# Altium PCB PCB_15122020_01BC.PcbDoc (part 1 of 9)
Units mm, origin at the board's own origin, x right, y up, seen from the top; angles counter-clockwise.
Board outline 207.9 x 131.1 mm, 4 copper layers (Top Layer, Layer 1, Layer 2, Bottom Layer), stack 1.57 mm thick; 684 components, 706 nets, 2796 pads, 1697 vias.
Unrouted connection lines stored in the file: 3.
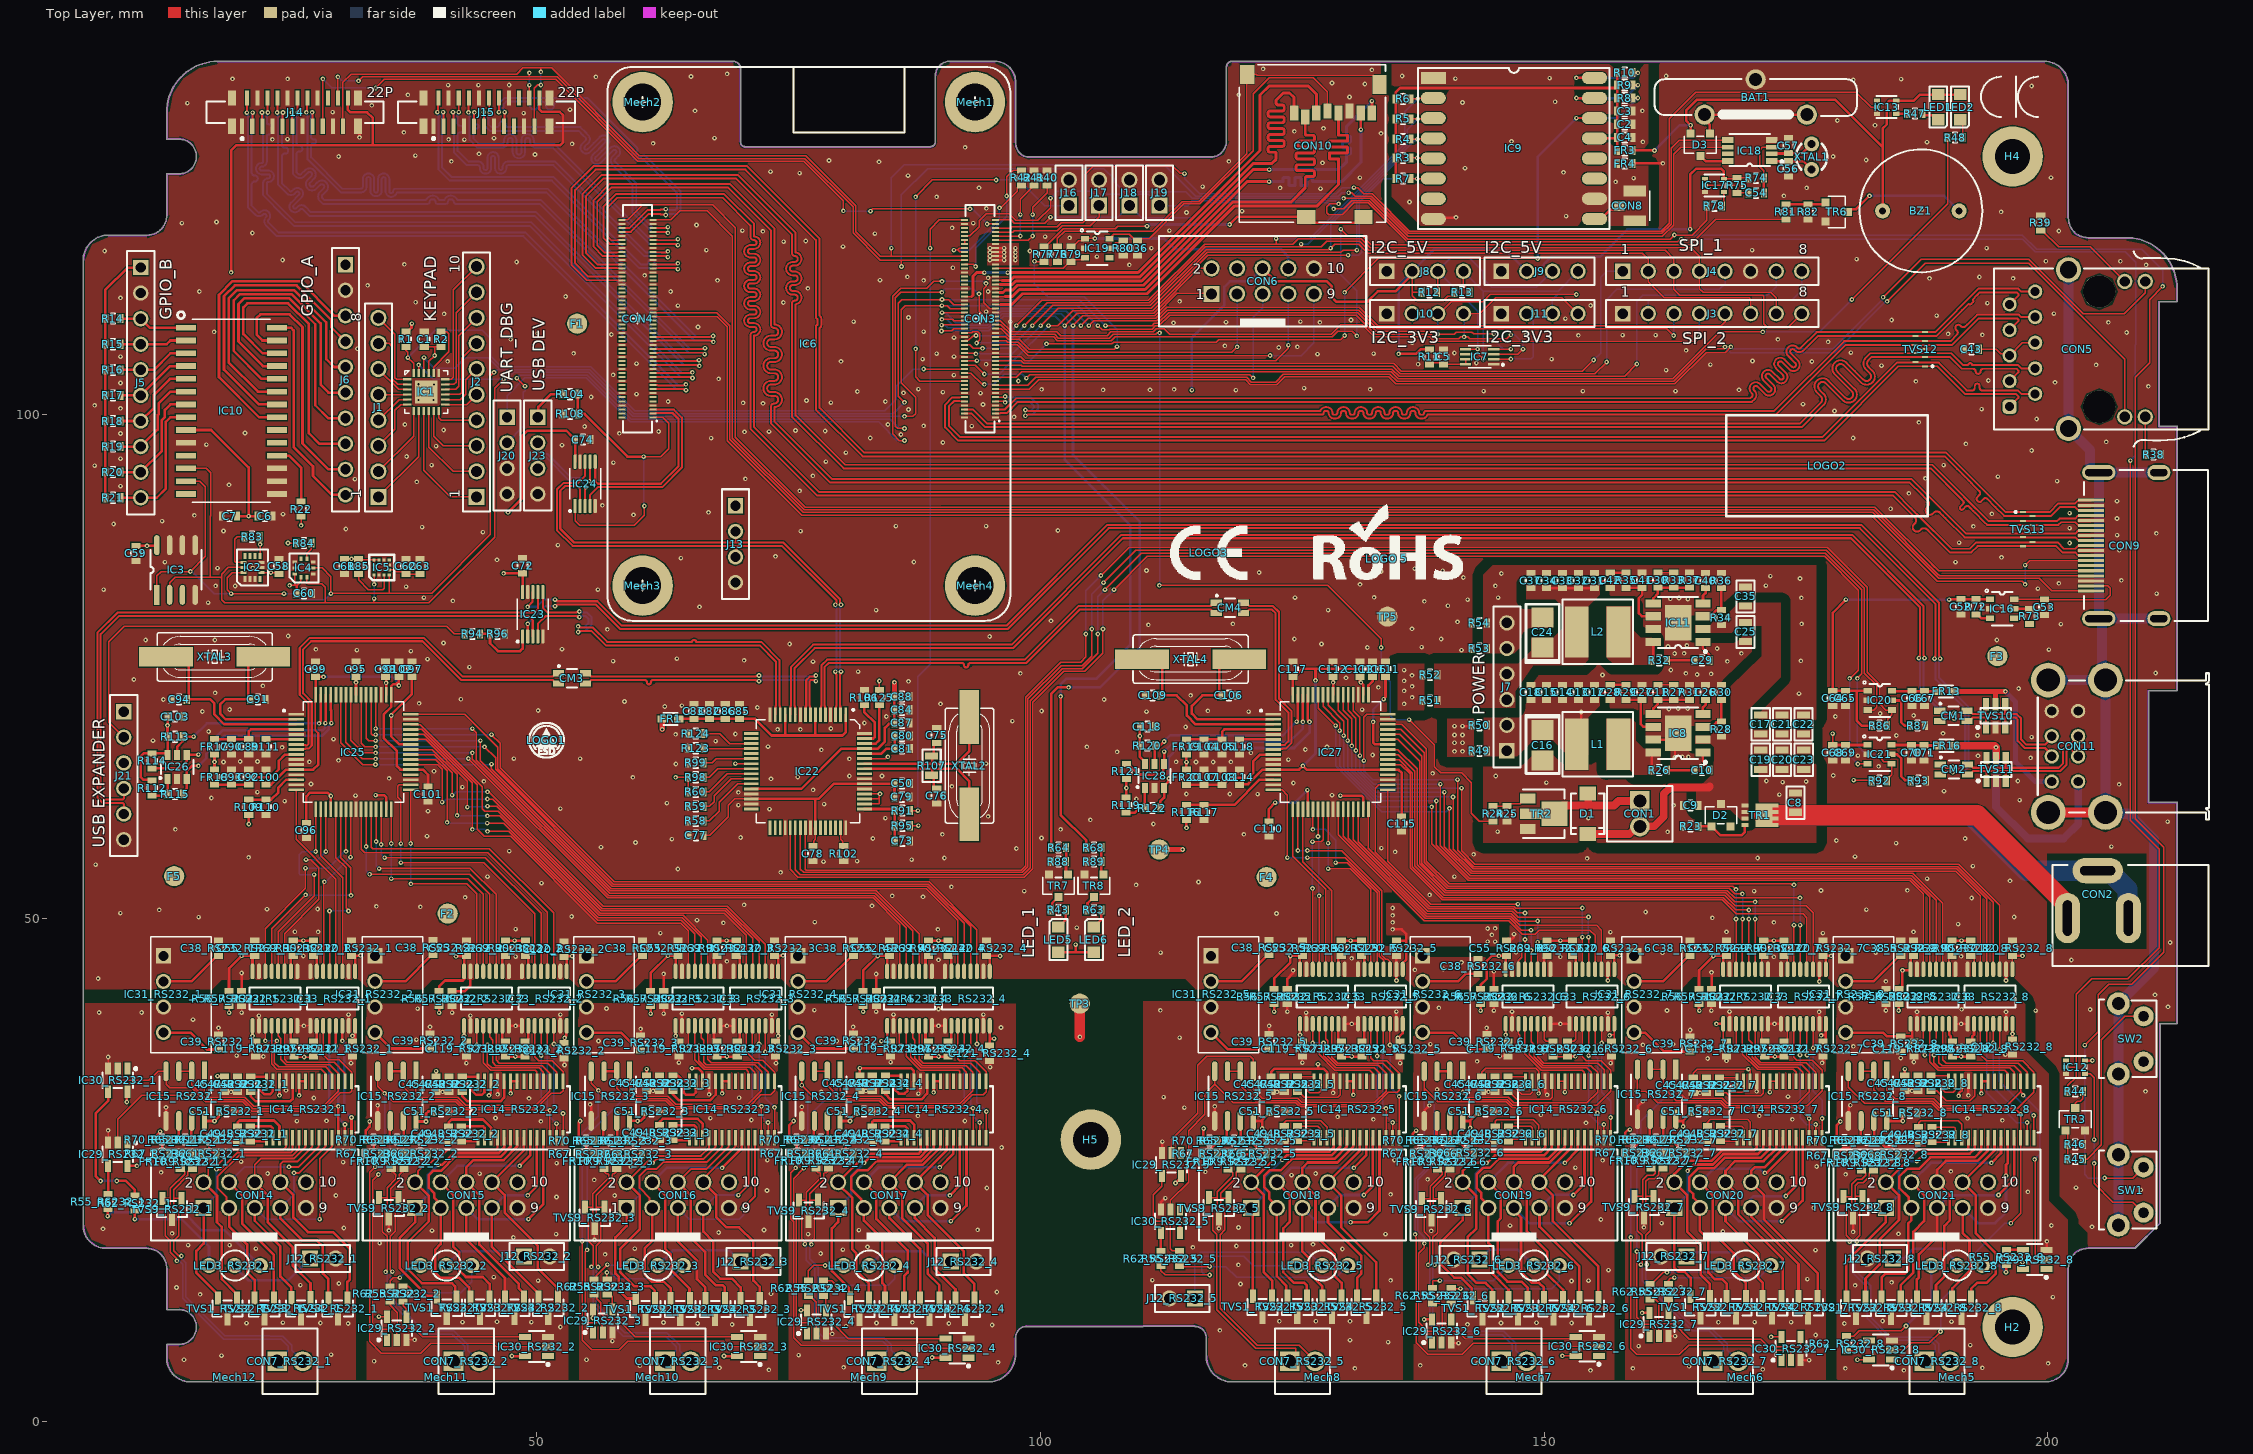
[diagram p0: Top Layer view]
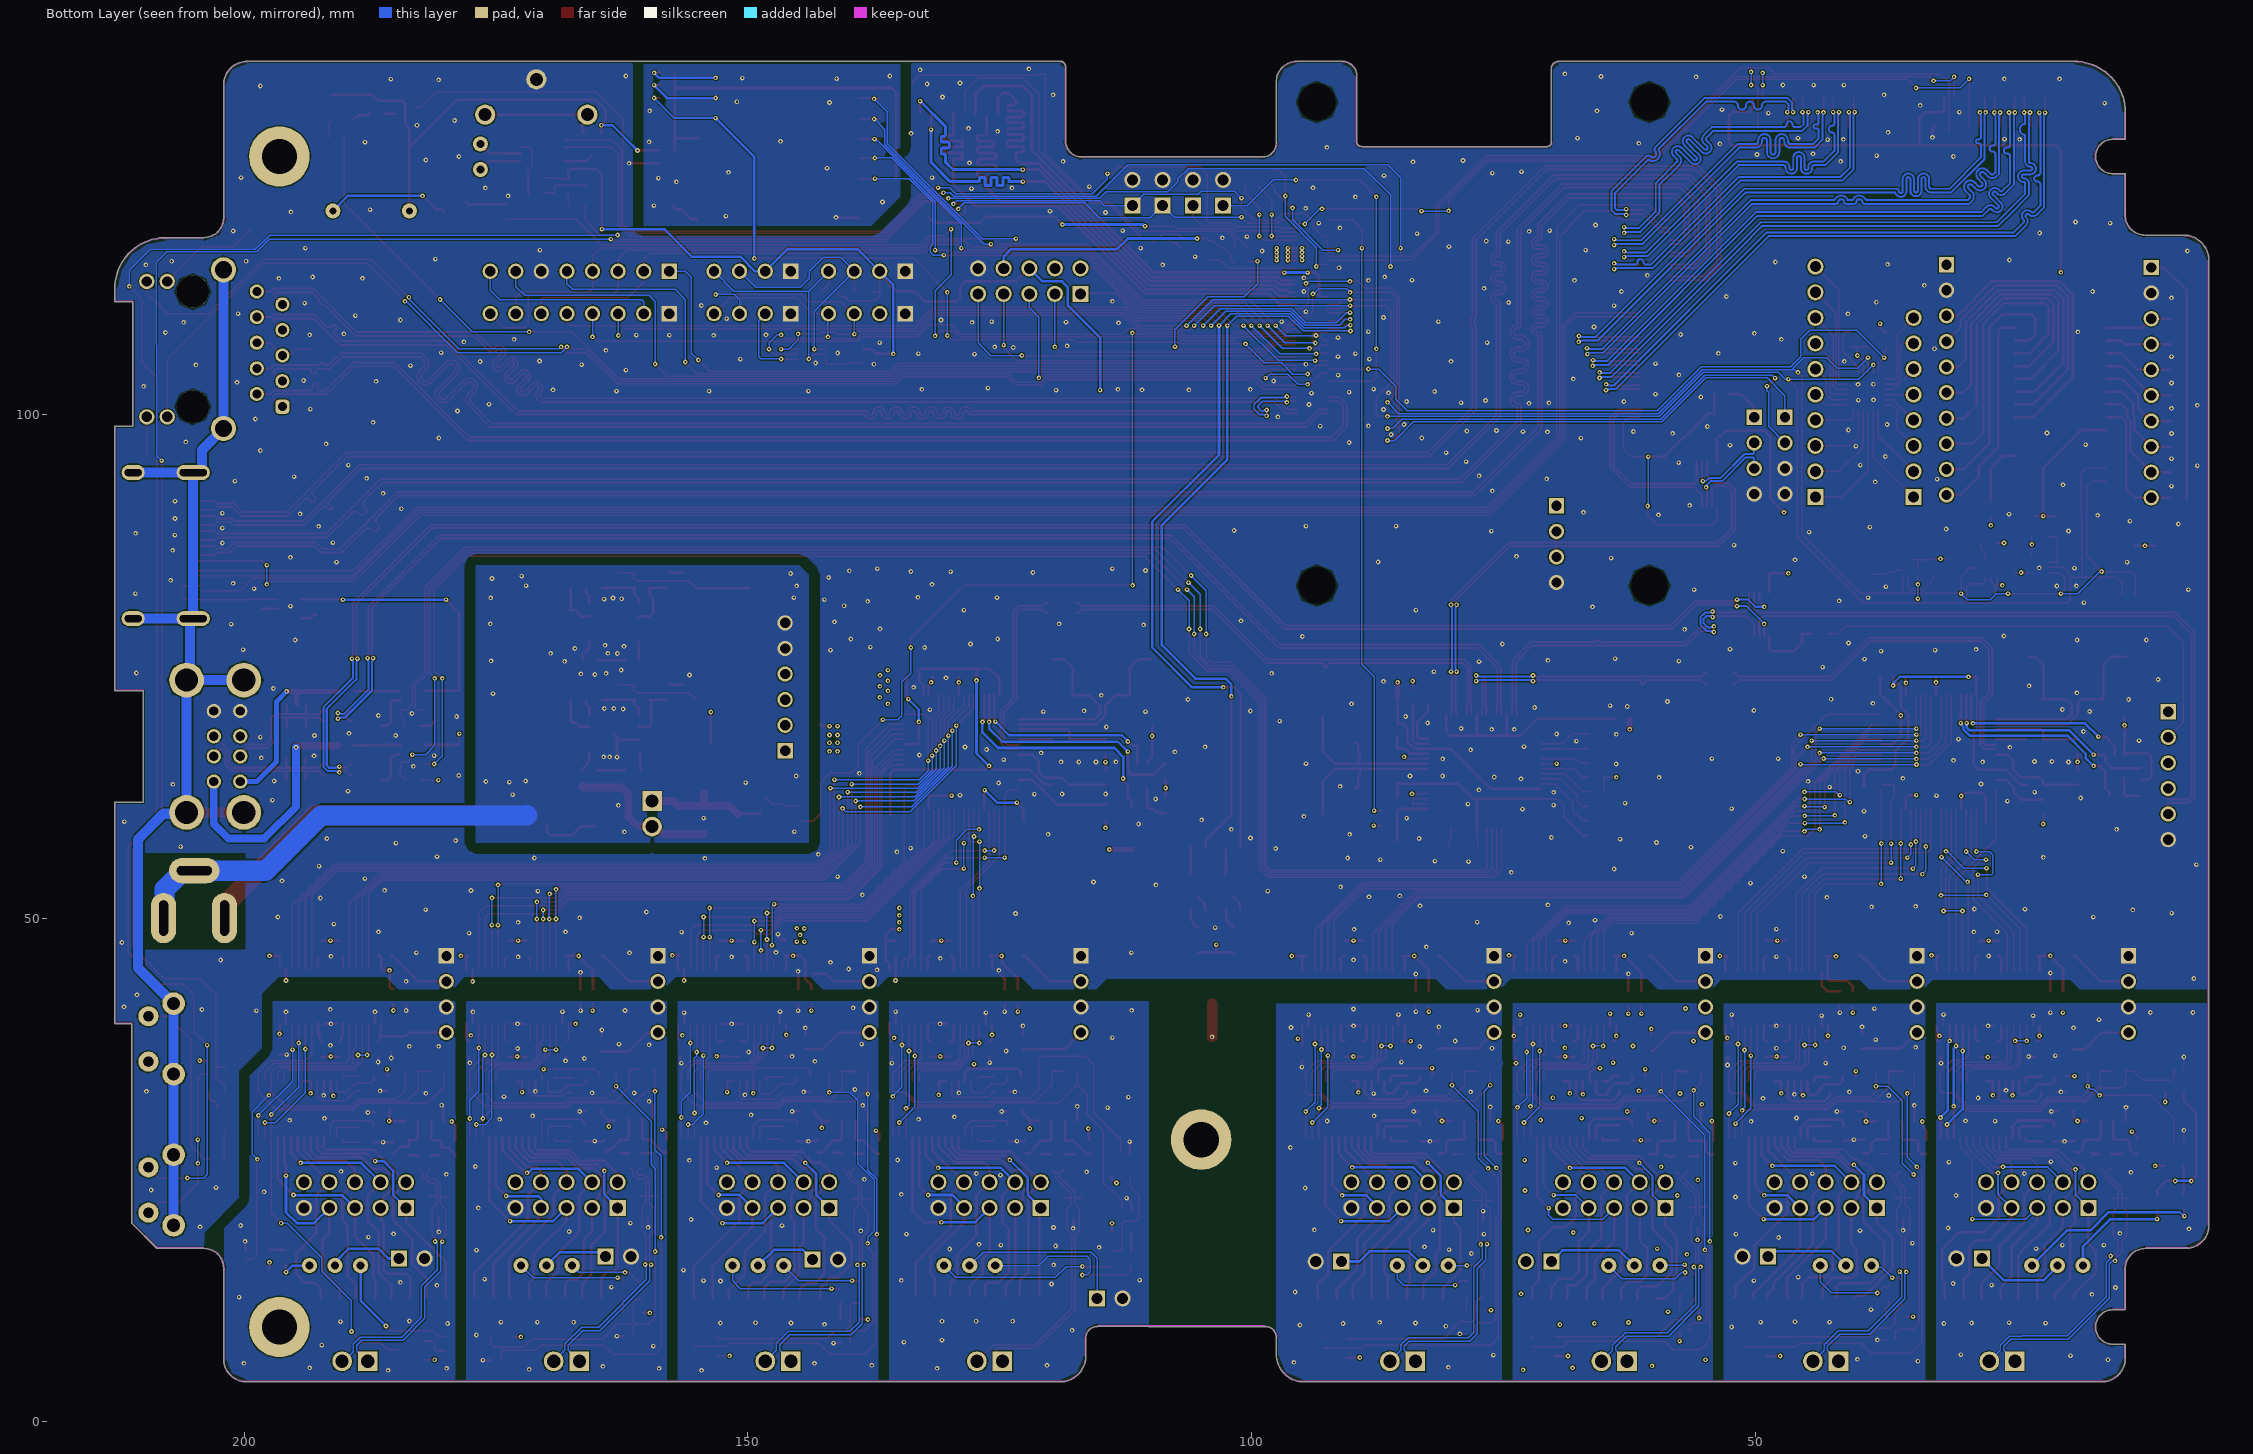
[diagram p1: Bottom Layer view, seen from below]
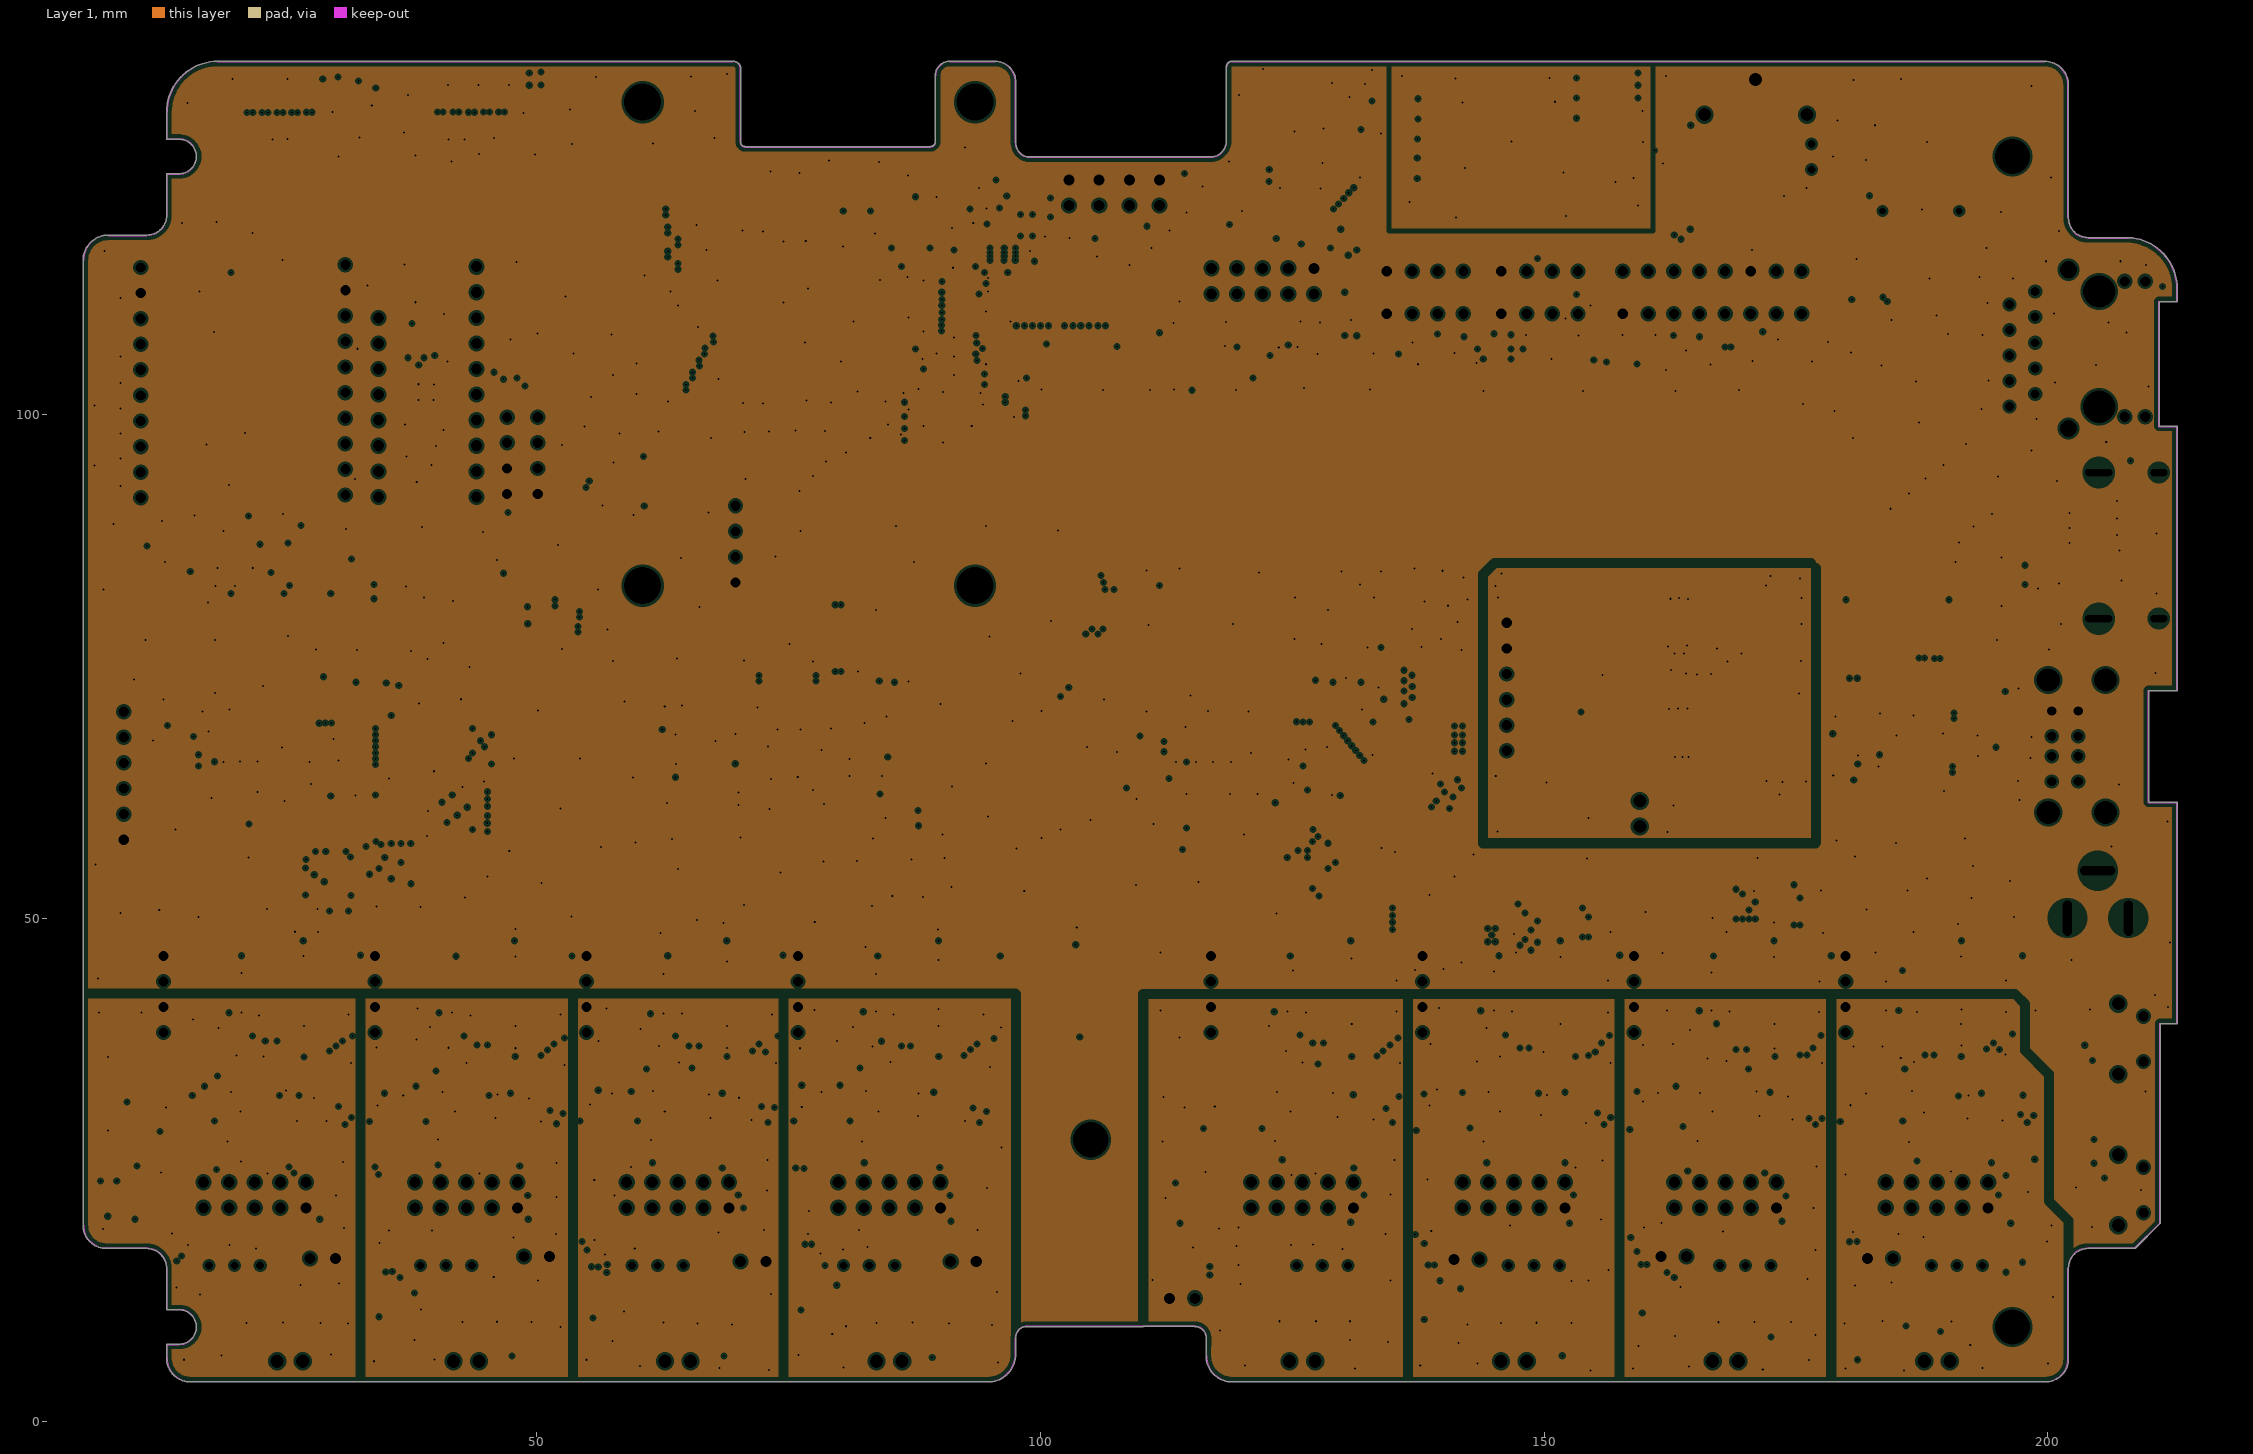
[diagram p2: Layer 1, clearances drawn from the general rule]
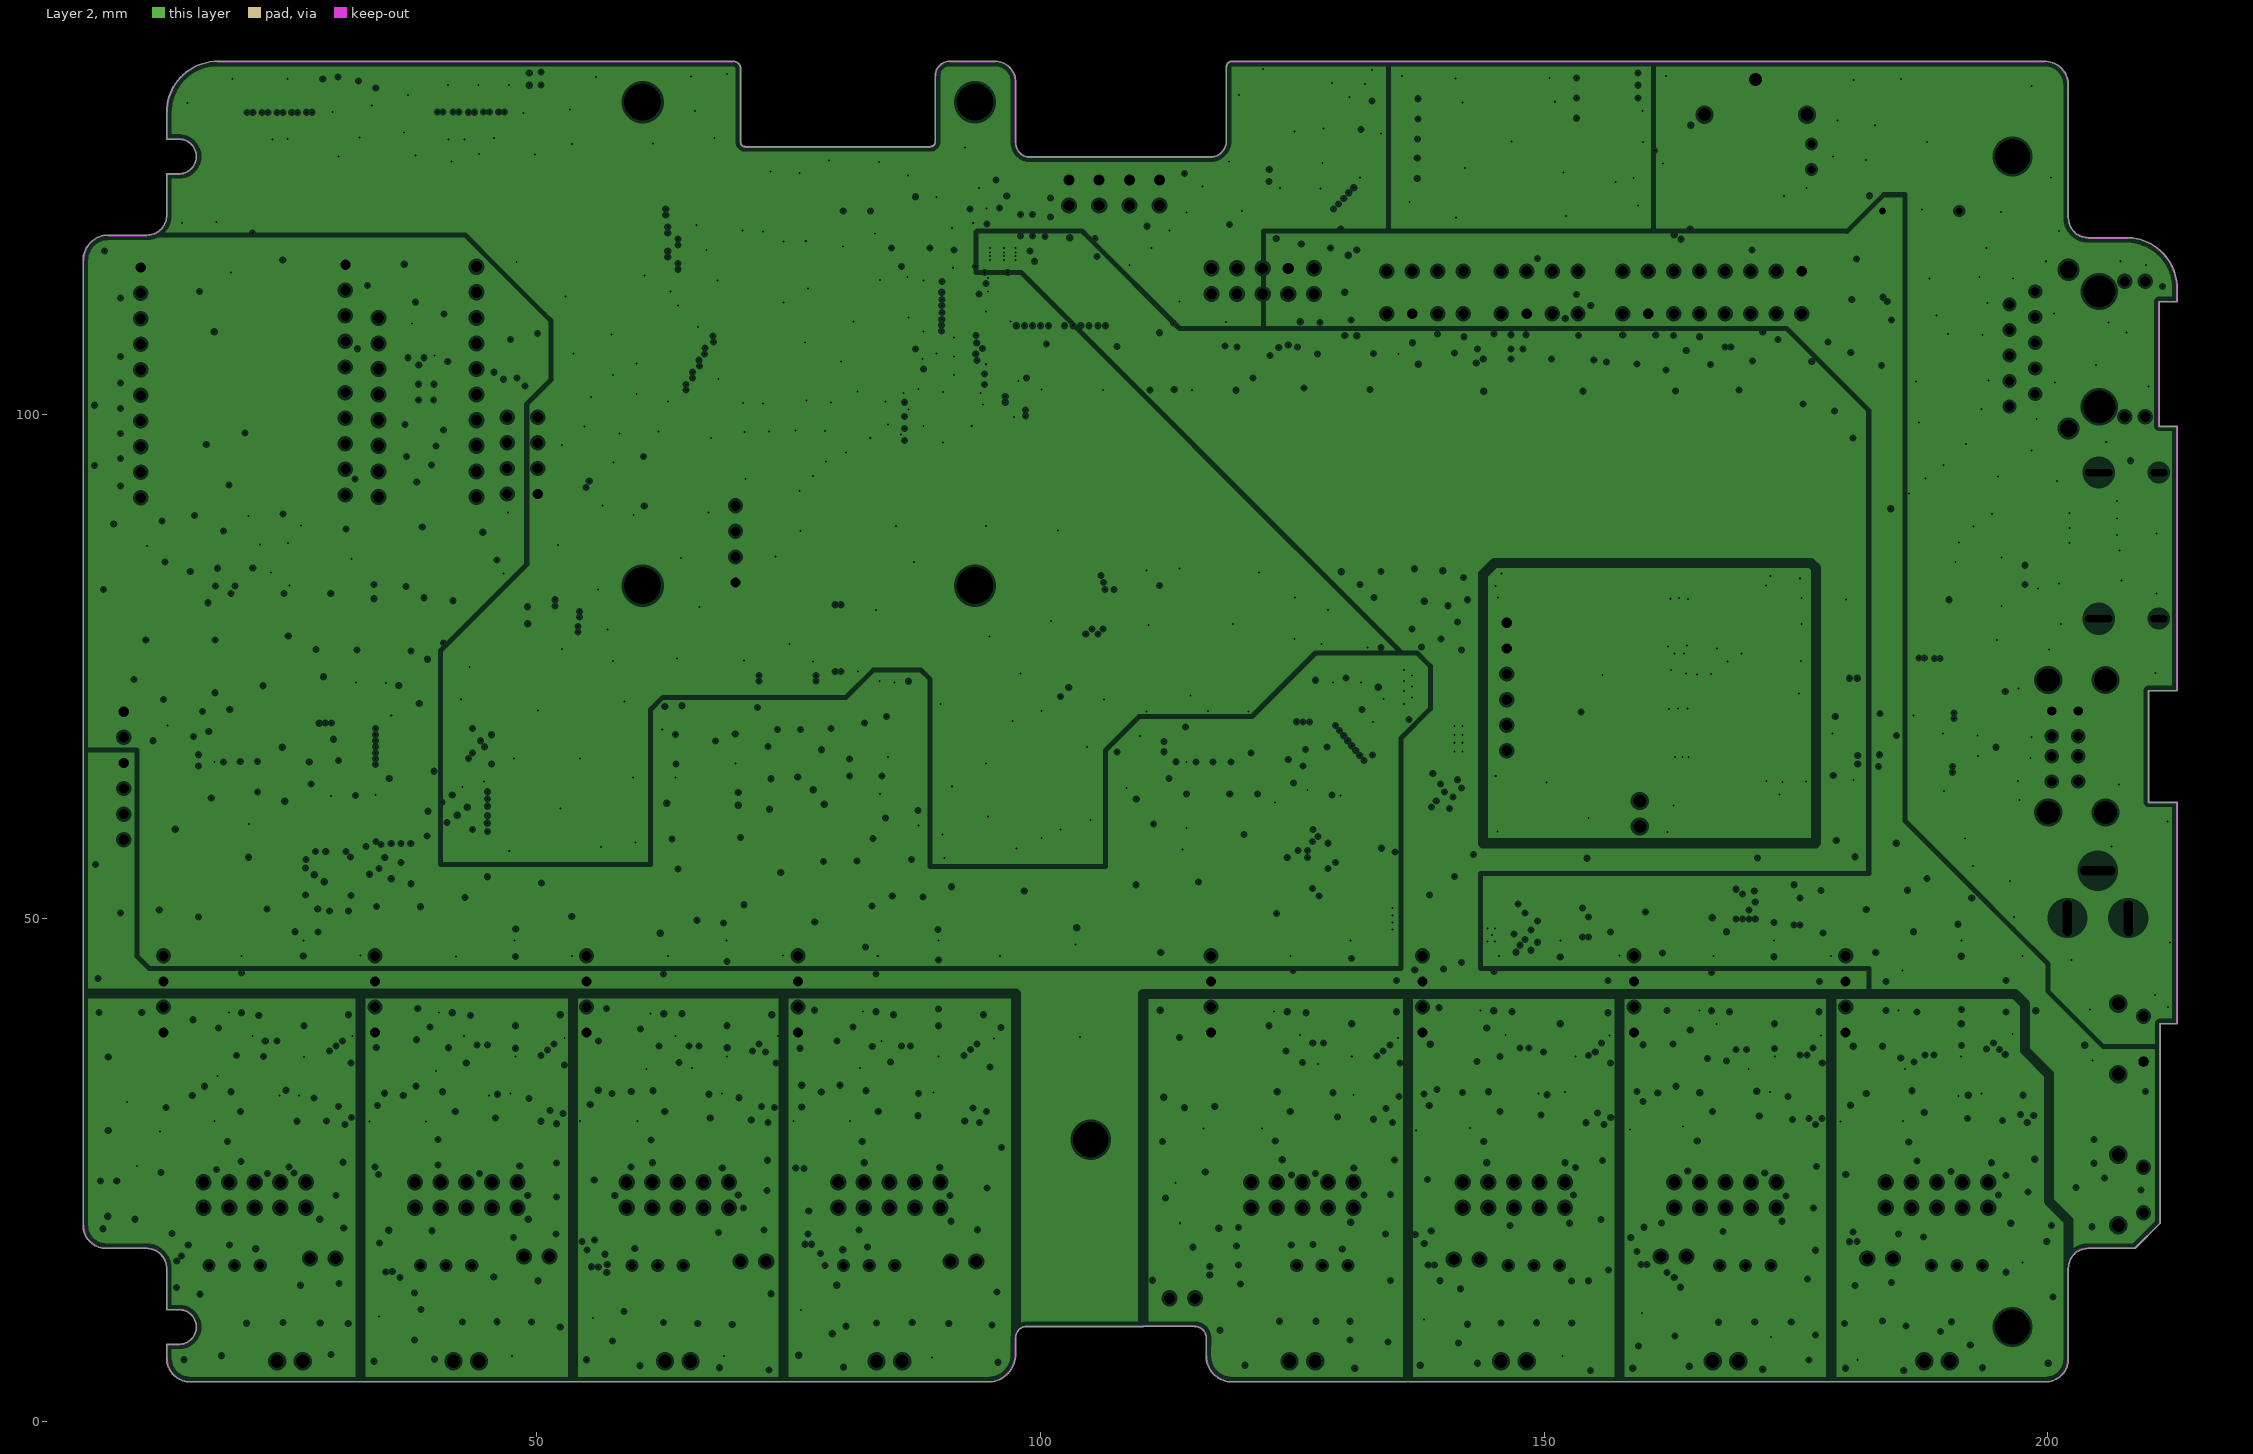
[diagram p3: Layer 2, clearances drawn from the general rule]

## Layer stack, top to bottom
Top Solder: solder mask 0.0203, Solder Resist, Dk 3.8
Top Layer: signal copper 0.035
Dielectric1: prepreg 0.2, PP-006, Dk 4.6
Layer 1: plane copper 0.0175, net (Multiple Nets)
Dielectric 1: core 1.065, Core-009, Dk 4.5
Layer 2: plane copper 0.0175, net (Multiple Nets)
Dielectric2: prepreg 0.2, PP-006, Dk 4.6
Bottom Layer: signal copper 0.035
Bottom Solder: solder mask 0.0203, Solder Resist, Dk 3.8

## Board outline
13.25,6.3 13.25,7.625 cw(c13.3,7.625) 13.265,7.661 13.264,7.661 13.289,7.686 13.289,7.685 cw(c13.325,7.65) 13.325,7.7 14.5,7.7 ccw(c14.5,9.4) 16.2,9.4 ccw(c14.5,9.4) 14.5,11.1 13.325,11.1 cw(c13.325,11.15) 13.279,11.129 cw(c13.3,11.175) 13.25,11.175 13.25,15.2 ccw(c11.25,15.2) 11.25,17.2 7.25,17.2 cw(c7.25,19.5) 4.95,19.5 4.95,115.275 cw(c5,115.275) 4.95,115.276 cw(c7.475,115.275) 7.475,117.8 11.3,117.8 ccw(c11.3,119.75) 13.25,119.75 13.25,123.849 cw(c13.3,123.85) 13.3,123.9 14.5,123.9 ccw(c14.5,125.6) 16.2,125.6 ccw(c14.5,125.6) 14.5,127.3 13.3,127.3 cw(c13.3,127.35) 13.25,127.355 13.25,130 cw(c18.3,130) 18.3,135.05 cw(c18.3,135) 18.3,135.05 69.5,135.05 cw(c69.5,134.3) 70.25,134.3 70.25,127 ccw(c70.66,127) 70.66,126.59 89.075,126.59 ccw(c89.075,127.065) 89.55,127.065 89.55,133.625 cw(c90.975,133.625) 90.975,135.05 95.5,135.05 cw(c95.5,135) 95.501,135.05 ccw(c95.5,133) 95.5,135.05 95.501,135.05 cw(c95.5,133) 97.55,133 97.55,126.945 ccw(c98.945,126.945) 98.945,125.55 116.85,125.55 ccw(c116.85,127.15) 118.45,127.149 ccw(c116.85,127.15) 118.45,127.15 118.45,134.5 cw(c118.5,134.5) 118.45,134.501 cw(c119,134.5) 119,135.05 199.7,135.05 cw(c199.7,132.7) 202.05,132.7 202.05,119.5 ccw(c204,119.5) 204,117.55 cw(c204,117.5) 204,117.55 208,117.55 cw(c208,117.5) 208.022,117.546 cw(c207.8,112.5) 212.85,112.5 212.85,111.225 cw(c212.8,111.225) 212.8,111.175 211.05,111.175 211.05,98.833 212.8,98.833 cw(c212.8,98.783) 212.85,98.783 212.85,72.617 cw(c212.8,72.617) 212.8,72.567 210.017,72.567 210.017,61.508 212.8,61.508 cw(c212.8,61.458) 212.85,61.458 212.85,39.567 cw(c212.8,39.567) 212.8,39.517 211.142,39.517 211.142,19.7 cw(c211.092,19.7) 211.127,19.664 211.128,19.664 208.678,17.214 208.678,17.215 cw(c208.642,17.25) 208.642,17.2 204,17.2 ccw(c204,17.25) 204.001,17.2 204,17.2 ccw(c204,15.25) 202.05,15.25 202.05,6.225 cw(c199.775,6.225) 199.775,3.95 cw(c199.775,4) 199.774,3.95 178.473,3.95 cw(c178.473,4) 178.47,3.95 cw(c178.467,4) 178.467,3.95 155.4,3.95 cw(c155.4,4) 155.4,3.95 cw(c155.4,4) 155.4,3.95 119.006,3.95 cw(c119.006,4) 118.997,3.95 cw(c118.989,4) 118.988,3.95 cw(c119.006,6.519) 116.437,6.537 cw(c116.487,6.537) 116.437,6.537 116.449,8.328 ccw(c115.3,8.3) 115.3,9.45 cw(c115.3,9.5) 115.286,9.452 110.193,9.452 cw(c110.179,9.5) 110.179,9.45 98.65,9.45 ccw(c98.65,8.35) 97.55,8.35 cw(c97.5,8.35) 97.55,8.347 cw(c97.5,8.34) 97.551,8.34 97.551,6.687 cw(c94.813,6.687) 94.813,3.949 cw(c94.813,3.999) 94.805,3.95 74.457,3.95 cw(c74.457,4) 74.456,3.95 cw(c74.455,4) 74.455,3.95 55.5,3.95 cw(c55.5,4) 55.498,3.95 cw(c55.496,4) 55.496,3.95 47.504,3.95 cw(c47.504,4) 47.502,3.95 cw(c47.5,4) 47.5,3.95 32.528,3.95 cw(c32.528,4) 32.527,3.95 cw(c32.526,4) 32.526,3.95 15.6,3.95 cw(c15.6,6.3)

## Design rules (kind name [scope] priority, off if disabled: settings)
AcuteAngle [All] p1: minimum=4.50000000000000E+0001 checktracksonly=TRUE
BoardOutlineClearance [All] p1: gap=0.2 ignorepadtopadclearanceinfootprint=FALSE
Clearance [All] p1: gap=0.102 ignorepadtopadclearanceinfootprint=FALSE except(1: Poly-Poly)
DiffPairsRouting 120R [InDifferentialPairClass('120R')] p1: maxlimit=0.203 minlimit=0.203 mostfreqgap=0.203 toplayer_minwidth=0.126 toplayer_maxwidth=0.126 toplayer_prefwidth=0.126 bottomlayer_minwidth=0.126 bottomlayer_maxwidth=0.126 bottomlayer_prefwidth=0.126 substack1={E4722F72-01FA-484D-9A7E-576B9D892980} toplayer_{e4722f72-01fa-484d-9a7e-576b9d892980}_minwidth=0.381 toplayer_{e4722f72-01fa-484d-9a7e-576b9d892980}_maxwidth=0.381 toplayer_{e4722f72-01fa-484d-9a7e-576b9d892980}_prefwidth=0.381 bottomlayer_{e4722f72-01fa-484d-9a7e-576b9d892980}_minwidth=0.381 bottomlayer_{e4722f72-01fa-484d-9a7e-576b9d892980}_maxwidth=0.381 bottomlayer_{e4722f72-01fa-484d-9a7e-576b9d892980}_prefwidth=0.381 maxuncoupledlength=12.7
DiffPairsRouting 90R [InDifferentialPairClass('90R')] p2: maxlimit=0.127 minlimit=0.127 mostfreqgap=0.127 toplayer_minwidth=0.206 toplayer_maxwidth=0.206 toplayer_prefwidth=0.206 bottomlayer_minwidth=0.206 bottomlayer_maxwidth=0.206 bottomlayer_prefwidth=0.206 substack1={E4722F72-01FA-484D-9A7E-576B9D892980} toplayer_{e4722f72-01fa-484d-9a7e-576b9d892980}_minwidth=0.381 toplayer_{e4722f72-01fa-484d-9a7e-576b9d892980}_maxwidth=0.381 toplayer_{e4722f72-01fa-484d-9a7e-576b9d892980}_prefwidth=0.381 bottomlayer_{e4722f72-01fa-484d-9a7e-576b9d892980}_minwidth=0.381 bottomlayer_{e4722f72-01fa-484d-9a7e-576b9d892980}_maxwidth=0.381 bottomlayer_{e4722f72-01fa-484d-9a7e-576b9d892980}_prefwidth=0.381 maxuncoupledlength=12.7
DiffPairsRouting 100R [InDifferentialPairClass('100R')] p3: maxlimit=0.178 minlimit=0.178 mostfreqgap=0.178 toplayer_minwidth=0.192 toplayer_maxwidth=0.192 toplayer_prefwidth=0.192 bottomlayer_minwidth=0.192 bottomlayer_maxwidth=0.192 bottomlayer_prefwidth=0.192 substack1={E4722F72-01FA-484D-9A7E-576B9D892980} toplayer_{e4722f72-01fa-484d-9a7e-576b9d892980}_minwidth=0.381 toplayer_{e4722f72-01fa-484d-9a7e-576b9d892980}_maxwidth=0.381 toplayer_{e4722f72-01fa-484d-9a7e-576b9d892980}_prefwidth=0.381 bottomlayer_{e4722f72-01fa-484d-9a7e-576b9d892980}_minwidth=0.381 bottomlayer_{e4722f72-01fa-484d-9a7e-576b9d892980}_maxwidth=0.381 bottomlayer_{e4722f72-01fa-484d-9a7e-576b9d892980}_prefwidth=0.381 maxuncoupledlength=12.7
FabricationTestPointUsage TestPointUsage [All] p1: valid=0 allowmultiple=FALSE
FabricationTestpoint Testpoint [All] p1: side=3 testpointundercomponent=TRUE minsize=1.016 maxsize=2.54 preferedsize=1.524 minholesize=0 maxholesize=1.016 preferedholesize=0.813 testpointgrid=0.025 allowsidetop=TRUE allowsidebottom=TRUE usegrid=TRUE gridtolerance=0
HoleSize Pad [All] p1: absolutevalues=TRUE maxlimit=6.3 minlimit=0.2 maxpercent=80.000 minpercent=20.000
HoleSize Via [IsVia] p2: absolutevalues=TRUE maxlimit=6.3 minlimit=0.2 maxpercent=80.000 minpercent=20.000
HoleToHoleClearance [All] p1: gap=0.5 allowstackedmicrovias=TRUE
MatchedLengths DISP [InNetClass('DSI_1')] p1: tolerance=0.15 checknetsindiffpair=FALSE checkdiffpairvsdiffpair=TRUE checkxsignals=TRUE checkothers=TRUE
MatchedLengths CAM [InNetClass('CAM_1')] p2: tolerance=0.15 checknetsindiffpair=FALSE checkdiffpairvsdiffpair=TRUE checkxsignals=TRUE checkothers=TRUE
MatchedLengths USB [InNetClass('USB')] p3: tolerance=0.15 checknetsindiffpair=TRUE checkdiffpairvsdiffpair=FALSE checkxsignals=FALSE checkothers=FALSE
MatchedLengths HDMI_0 [InNetClass('HDMI_0')] p4: tolerance=0.15 checknetsindiffpair=FALSE checkdiffpairvsdiffpair=TRUE checkxsignals=TRUE checkothers=TRUE
MatchedLengths SD_Card [InNetClass('SD_CARD')] p5: tolerance=0.15 checknetsindiffpair=FALSE checkdiffpairvsdiffpair=TRUE checkxsignals=TRUE checkothers=TRUE
MatchedLengths Ethernet [InNetClass('ETHERNET')] p6: tolerance=0.15 checknetsindiffpair=FALSE checkdiffpairvsdiffpair=TRUE checkxsignals=TRUE checkothers=TRUE
MinimumAnnularRing [All] p1: minimumring=0.13
MinimumSolderMaskSliver [All] p1: minsoldermaskwidth=0
PlaneClearance [All] p1: clearance=0.254
PlaneConnect [All] p1: planeconnectstyle=Direct reliefexpansion=0.508 reliefentries=4 reliefconductorwidth=0.254 reliefairgap=0.254
PolygonConnect [All] p1: connectstyle=Direct reliefconductorwidth=0.254 reliefentries=4 polygonreliefangle="90 Angle" airgapwidth=0.254
RoutingVias [All] p1: holewidth=0.2 width=0.46 viastyle="Through Hole" minholewidth=0.2 minwidth=0.45 maxholewidth=1 maxwidth=1.27
SilkToSolderMaskClearance SilkscreenOverComponentPads [IsPad] p1: minsilkscreentomaskgap=0.254 clearancetoexposedcopper=TRUE
SolderMaskExpansion SolderMaskExpansion_1 [All] p1: expansion=0.102 istentingtop=FALSE
SolderMaskExpansion [All] p2: expansion=0 istentingtop=FALSE
UnRoutedNet [All] p1: checkbadconnections=TRUE
Width Antenna [InNetClass('50R')] p1: maxlimit=0.293 minlimit=0.293 preferedwidth=0.293 substack1={E4722F72-01FA-484D-9A7E-576B9D892980} minimp=50.000000 maximp=50.000000 favimp=50.000000
Width 50R [InNetClass('SD_CARD')] p2: maxlimit=0.293 minlimit=0.127 preferedwidth=0.293 substack1={E4722F72-01FA-484D-9A7E-576B9D892980} minimp=50.000000 maximp=50.000000 favimp=50.000000
Width [All] p3: maxlimit=5 minlimit=0.127 preferedwidth=0.254 substack1={E4722F72-01FA-484D-9A7E-576B9D892980}
20 further rules are at their usual default settings.
